# Altium PCB MEA_CLDP.PcbDoc (part 1 of 3) (continued)
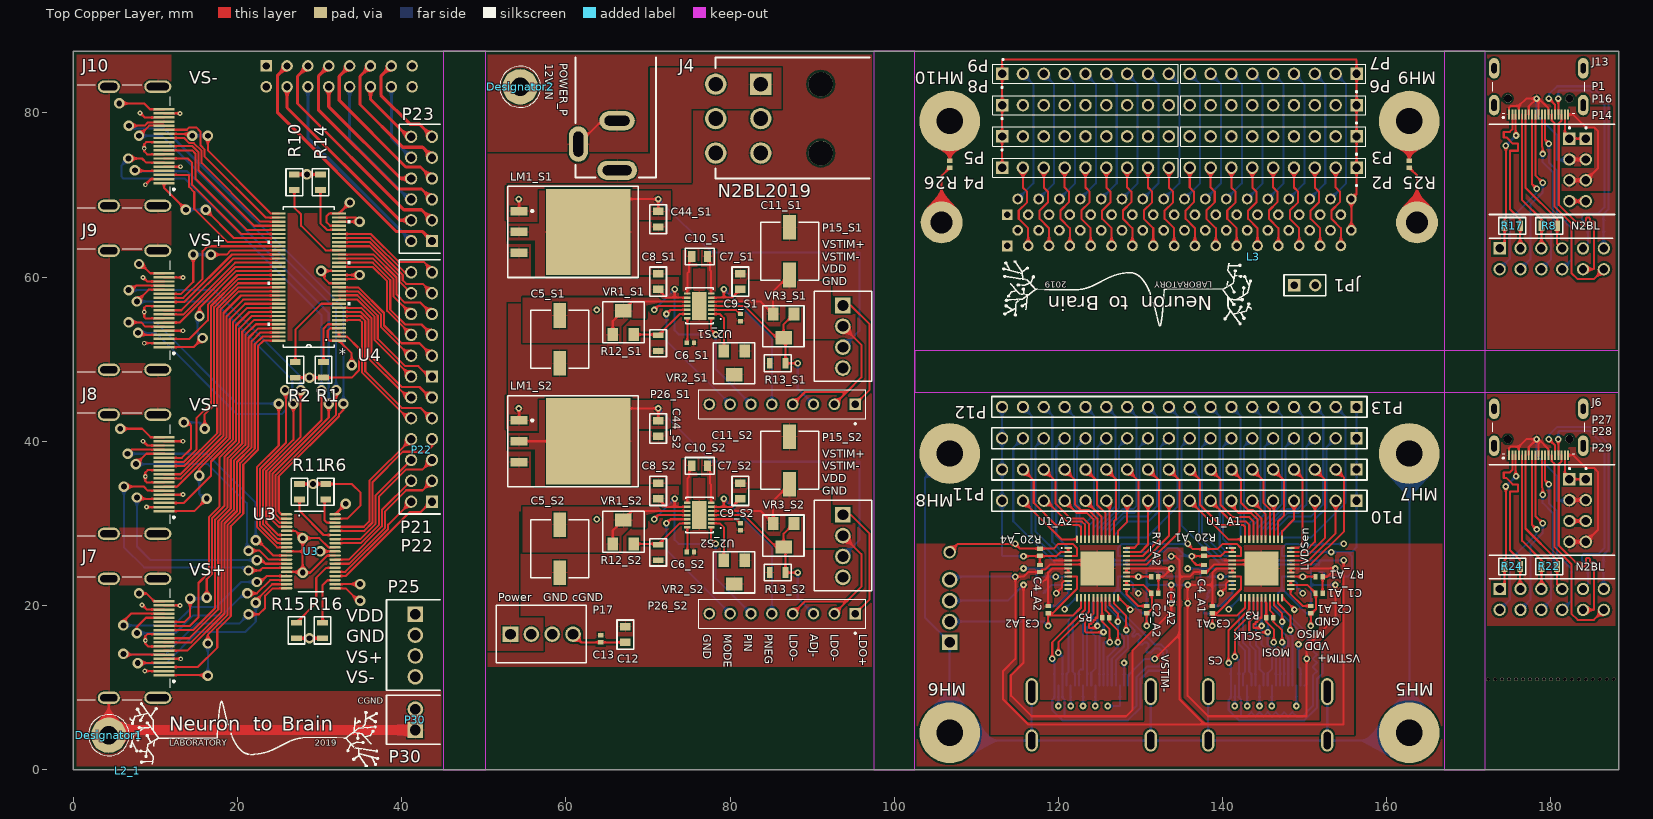
[diagram p0: Top Copper Layer view]
## Part data (continued)
MH5 MH6 MH7 MH8 MH9 MH10: library part MH_7.4MMC_3.2MMC, "Mounting Hole 7.4mm Diameter, 3.2mm Drill"
P1 P27: "Header, 4-Pin, Right Angle", Manufacturer="Sullins Connector Solutions", Manufacturer Part Number=PPTC041LGBN-RC, Supplier Part Number 1=S5440-ND, ComponentLink1Description=Datasheet, ComponentLink1URL=https://drawings-pdf.s3.amazonaws.com/10493.pdf, Detailed Description="4 Position Header Connector 0.100\" (2.54mm) Through Hole, Right Angle Tin", LatestRevisionDate=17-Jul-2002, LatestRevisionNote="Re-released for DXP Platform.", Manufacturer Link=https://www.sullinscorp.com/product/?pn=PPTC041LGBN-RC&toggle=in, Pricing1="Price Break  Unit Price  Extended Price  1  0.79000  $0.79  10  0.73700  $7.37  100  0.56490  $56.49  500  0.49124  $245.62  1,000  0.40528  $405.28  5,000  0.35615  $1,780.73  10,000  0.35478  $3,547.80 (CAD)", Publisher="Altium Limited", Stock1=12,644, Supplier1=Digikey, Supplier Link 1=https://www.digikey.ca/product-detail/en/sullins-connector-solutions/PPTC041LGBN-RC/S5440-ND/775898
P2 P3 P4 P5 P6 P7 P8 P9: "Header, 9-Pin", Manufacturer="TE Connectivity AMP Connectors", Manufacturer Part Number=3-644456-9, Supplier Part Number 1=A31119-ND, ComponentLink1Description=Datasheet, ComponentLink1URL=https://www.te.com/commerce/DocumentDelivery/DDEController?Action=srchrtrv&DocNm=644456&DocType=Customer+Drawing&DocLang=English, Manufacturer Link=https://www.te.com/global-en/product-3-644456-9.html, Price1="1=0.81000;  10=0.76300;  100=0.58520;  500=0.50888;  1,000=0.41984;  5,000=0.36894;  10,000=0.34350 (CAD)", Stock1=6,446, Supplier 1=Digikey, Supplier Link 1=https://www.digikey.ca/product-detail/en/te-connectivity-amp-connectors/3-644456-9/A31119-ND/698351
P10 P11 P12 P13: "CONN RCPT 18POS 0.1 GOLD PCB", Manufacturer="Sullins Connector Solutions", Manufacturer Part Number=PPPC181LFBN-RC, Supplier Part Number 1=S7051-ND, ComponentLink1Description="Datasheet Drawing", ComponentLink1URL=https://drawings-pdf.s3.amazonaws.com/10492.pdf, ComponentLink2Description="Datasheet General Headers", ComponentLink2URL=https://media.digikey.com/pdf/Data%20Sheets/Sullins%20PDFs/Female_Headers.100_DS.pdf, Manufacturer Link 1=https://www.sullinscorp.com/product/?pn=PPPC181LFBN-RC&toggle=in, Pricing1="1 	1.63000 	$1.63", Publisher="Altium Limited", Stock1=1,744, Supplier 1=Digikey, Supplier Link 1=https://www.digikey.ca/product-detail/en/sullins-connector-solutions/PPPC181LFBN-RC/S7051-ND/810190
P14 P29: "Header, 6-Pin, Dual row", Manufacturer="Sullins Connector Solutions", Manufacturer Part Number=PPPC062LJBN-RC, Supplier Part Number 1=S5559-ND, ComponentLink1Description=Datasheet, ComponentLink1URL=https://drawings-pdf.s3.amazonaws.com/10494.pdf, LatestRevisionDate=17-Jul-2002, LatestRevisionNote="Re-released for DXP Platform.", Manufacturer Link=https://www.sullinscorp.com/product/?pn=PPPC062LJBN-RC&toggle=in, Pricing1="1  1.80000  $1.80  10  1.57700  $15.77  100  1.36070  $136.07  500  1.11330  $556.65  1,000  0.98959  $989.59  5,000  0.89338  $4,466.92 (CAD)", Publisher="Altium Limited", Stock1=7,855, Supplier1=Digikey, Supplier Link 1=https://www.digikey.ca/product-detail/en/sullins-connector-solutions/PPPC062LJBN-RC/S5559-ND/776017
P15_S1 P15_S2 P17 P18 P25: "Header, 4-Pin", Manufacturer="On Shore Technology Inc.", Manufacturer Part Number=OSTVN04A150, Supplier Part Number 1=ED10563-ND, ComponentLink1Description=Datasheet, ComponentLink1URL=http://www.on-shore.com/wp-content/uploads/OSTVNXXA150.pdf, Detailed Description="4 Position Wire to Board Terminal Block Horizontal with Board 0.100\" (2.54mm) Through Hole", LatestRevisionDate=17-Jul-2002, LatestRevisionNote="Re-released for DXP Platform.", Manufacturer Link=https://www.on-shore.com/part/ostvnxxa150-terminal-block-one-piece-rising-clamp/, Pitch (imperial)=100mil, Pricing 1="1  1.38000  $1.38  10  0.96900  $9.69  25  0.90400  $22.60  50  0.82040  $41.02  100  0.81680  $81.68  250  0.68972  $172.43  500  0.65340  $326.70  1,000  0.58080  $580.80  5,000  0.47190  $2,359.50 (CAD)", Publisher="Altium Limited", Stock 1=8,195, Supplier 1=Digikey, Supplier Link 1=https://www.digikey.com/product-detail/en/on-shore-technology-inc/OSTVN04A150/ED10563-ND/1588864
P16 P28: "Header, 4-Pin, Right Angle", Manufacturer="Sullins Connector Solutions", Manufacturer Part Number=PEC04SBAN, Supplier Part Number 1=S1112E-04-ND, ComponentLink1Description=Datasheet, ComponentLink1URL=https://drawings-pdf.s3.amazonaws.com/10492.pdf, LatestRevisionDate=17-Jul-2002, LatestRevisionNote="Re-released for DXP Platform.", Manufacturer Link=https://www.sullinscorp.com/product/?pn=PPPC181LFBN-RC&toggle=in#, Pricing1="Price Break  Unit Price  Extended Price  1  0.54000  $0.54  10  0.50800  $5.08  25  0.43560  $10.89  50  0.37020  $18.51  100  0.35560  $35.56  250  0.31940  $79.85  500  0.30486  $152.43 (CAD)", Publisher="Altium Limited", Stock1=2,184, Supplier1=Digikey, Supplier Link 1=https://www.digikey.ca/product-detail/en/sullins-connector-solutions/PEC04SBAN/S1112E-04-ND/860093
P20: "Header, 8-Pin, Dual row", Manufacturer="TE Connectivity", Manufacturer Part Number=534998-8, Supplier Part Number 1=A26489-ND, ComponentLink1Description=Datasheet, ComponentLink1URL=https://www.te.com/commerce/DocumentDelivery/DDEController?Action=srchrtrv&DocNm=534998&DocType=Customer+Drawing&DocLang=English, LatestRevisionDate=17-Jul-2002, LatestRevisionNote="Re-released for DXP Platform.", Pricing1="1  5.59000  $5.59  28  4.92321  $137.85  112  4.47580  $501.29  504  3.80446  $1,917.45  1,008  3.24498  $3,270.94 (CAD)", Publisher="Altium Limited", Stock1=13,776, Supplier 1=Digikey, Supplier Link 1=https://www.digikey.ca/product-detail/en/te-connectivity-amp-connectors/534998-8/A26489-ND/298054
P21 P22 P23: "Header, 6-Pin, Dual row", Manufacturer=Molex, Manufacturer Part Number=0010897120, Supplier Part Number 1=WM13108-ND, ComponentLink1Description=Datasheet, ComponentLink1URL=https://www.molex.com/pdm_docs/sd/010897120_sd.pdf, LatestRevisionDate=17-Jul-2002, LatestRevisionNote="Re-released for DXP Platform.", Manufacturer Link=https://www.molex.com/molex/products/datasheet.jsp?part=active/0010897120_PCB_HEADERS.xml, Pricing1="1  1.65000  $1.65 (CAD)", Stock1=2,645, Supplier 1=Digikey, Supplier Link 1=https://www.digikey.com/product-detail/en/molex/0010897120/WM13108-ND/3068090
  P22 P23: Publisher="Altium Limited"
P26_S1 P26_S2: "Header, 8-Pin", Manufacturer="TE Connectivity AMP Connectors", Manufacturer Part Number=5-535541-6, Supplier Part Number 1=A32921-ND, ComponentLink1Description=Datasheet, ComponentLink1URL=https://www.te.com/commerce/DocumentDelivery/DDEController?Action=srchrtrv&DocNm=535541&DocType=Customer+Drawing&DocLang=English, Manufacturer Link=https://www.te.com/usa-en/product-5-535541-6.html, Price1="1  2.79000  $2.79  28  2.37000  $66.36  112  2.16411  $242.38  504  1.80345  $908.94  1,008  1.54581  $1,558.18  5,012  1.37062  $6,869.56  10,024  1.33971  (CAD)", Stock1=2,929, Supplier1=Digikey, Supplier Link 1=https://www.digikey.ca/product-detail/en/te-connectivity-amp-connectors/5-535541-6/A32921-ND/1092992
P30: "Header, 2-Pin", Manufacturer="On Shore Technology Inc.", Manufacturer Part Number=OSTVN02A150, Supplier Part Number 1=ED10561-ND, LatestRevisionDate=17-Jul-2002, LatestRevisionNote="Re-released for DXP Platform.", Manufacturer Link=https://www.on-shore.com/part/ostvnxxa150-terminal-block-one-piece-rising-clamp/, Pricing1="1  1.29000  $1.29 (CAD)", Publisher="Altium Limited", Stock1=21,116, Supplier 1=Digikey, Supplier Link 1=https://www.digikey.ca/product-detail/en/on-shore-technology-inc/OSTVN02A150/ED10561-ND/1588862
POWER_P: "PJ-002AH", Colour=Black, Current Rating=5A, Flammability Rating="UL94 V-0", Insulation Resistance=50MR, Manufacturer=CUI, Max Operating Temperature=85°C, Min Operating Temperature=-25°C, Package Quantity=500, Supplier Part Number 1=CP-002AH-ND, Voltage Rating=24V, ComponentLink1Description=http://www.cui.com/Product/Resource/FuturePDF/PJ-002AH.pdf, ComponentLink1URL=http://www.cui.com/Product/Resource/FuturePDF/PJ-002AH.pdf, ComponentLink2Description=http://www.cui.com/product/resource/digikeypdf/pj-002ah.pdf, ComponentLink2URL=http://www.cui.com/product/resource/digikeypdf/pj-002ah.pdf, ComponentLink3Description=http://www.mouser.com/ds/2/670/pj-002ah-516007.pdf, ComponentLink3URL=http://www.mouser.com/ds/2/670/pj-002ah-516007.pdf, Connector Type=Jack, Contact Gender=Male, Contact Material="Copper,Copper Alloy", Contact Plating=Nickel, Diameter=2.1mm, Gender=Male, Housing Colour=Black, Housing Material=Thermoplastic, Lead Free="Lead Free", Manufacturer Part Number=PJ-002AH, Mount="Through Hole", Number of Conductors=2, Orientation=Horizontal, Packaging=Bulk, Pricing 1="1=0.74, 10=0.696, 25=0.6264, 50=0.5568, 100=0.5336, 250=0.4872, 500=0.464, 1000=0.3828, 2500=0.348 (USD)", Shielding=Unshielded, Stock 1=95768, Supplier 1=Digi-Key, Supplier Link 1=https://www.digikey.ca/products/en?keywords=CP-002AH-ND, Termination="Through Hole"
R1 R2 R6 R10 R11 R14 R15 R16: library part RES0, "RC0805JR-070RL", Case/Package=0805, Case Code (Metric)=2012, Manufacturer=Yageo, Max Operating Temperature=155°C, Max Power Dissipation=125mW, Min Operating Temperature=-55°C, Package Quantity=1, Resistance=0R, Supplier Part Number 1=311-0.0ARCT-ND, Temperature Coefficient=100ppm/°C, Tolerance=1%, Voltage Rating=150V, Case Code (Imperial)=0805, Composition="Thick Film", Depth=1.25mm, Lead Free="Lead Free", Length=2mm, Manufacturer Part Number=RC0805JR-070RL, Military Standard=Not, Number of Terminations=2, Packaging="Tape and Reel", Power Rating=125mW, Pricing 1="1=0.15;  10=0.055;  25=0.0408;  50=0.0308;  100=0.0229;  250=0.01740;  500=0.0139;  1000=0.01024 (CAD)", REACH SVHC=Unknown, Stock 1=3924855, Supplier 1=Digi-Key, Supplier Link 1=https://www.digikey.ca/product-detail/en/yageo/RC0805JR-070RL/311-0.0ARCT-ND/731163, Termination=SMD/SMT
R3 R5 R9 R19: library part RES100, "RES SMD 100 OHM 1% 1/16W 0402", Case/Package=0402, Case Code (Metric)=1005, Manufacturer="Vishay Dale", Manufacturer 2="Panasonic Electronic Components", Manufacturer Part Number=CRCW0402100RFKED, Manufacturer Part Number 2=ERA-2AED101X, Max Operating Temperature=155°C, Max Power Dissipation=0.063W, Min Operating Temperature=-55°C, Package Quantity=1, Temperature Coefficient=100ppm/°C, Tolerance 1=1%, Voltage Rating=50V, Assembly Note="If Vishay Dale part not in stock as free passive part, use Panasonic resistor instead", Case Code (Imperial)=0402, ComponentLink1Description="Datasheet 1", ComponentLink1URL=http://www.vishay.com/docs/20035/dcrcwe3.pdf, ComponentLink2Description="Datasheet 2", ComponentLink2URL=https://industrial.panasonic.com/cdbs/www-data/pdf/RDM0000/AOA0000C307.pdf, Composition="Thick Film", Height=0.4mm, Lead Free="Lead Free", Length=1mm, Military Standard=Not, Number of Terminations=2, Packaging="Paper Tape", Power Rating=0.063W, Pricing 1=Free, Pricing 2="1  0.34000  $0.34  10  0.29100  $2.91  100  0.11370  $11.37  1,000  0.04762  $47.62  2,500  0.04364  $109.11  5,000  0.03968  $198.40", REACH SVHC=Unknown, Resistance=100R, Stock 1=0, Supplier 1=7PCB/Bittle, Supplier 2=Digi-Key, Supplier Description 1="RES SMD 100 OHM 1% 1/16W 0402", Supplier Description 2="100 Ohms ±0.5% 0.063W, 1/16W Chip Resistor 0402 (1005 Metric) Automotive AEC-Q200 Thin Film", Supplier Link 1=https://parts.7pcb.com/, Supplier Part Number 1=CRCW0402100RFKED, Supplier Part Number 2=P100DECT-ND, Termination=SMD/SMT, Tolorance 2=0.5%, Weight=4mg, Width=0.5mm
R4 R8 R17 R18 R21 R22 R23 R24: library part RES100, "ERJ-6ENF1000V", Case/Package=0805, Case Code (Metric)=2012, Manufacturer="Panasonic Electronic Components", Max Operating Temperature=155°C, Max Power Dissipation=125mW, Min Operating Temperature=-55°C, Package Quantity=1, Supplier Part Number 1=P100CCT-ND, Temperature Coefficient=100ppm/°C, Tolerance=1%, Voltage Rating=150V, Case Code (Imperial)=0805, ComponentLink1Description=Datasheet, ComponentLink1URL=https://industrial.panasonic.com/cdbs/www-data/pdf/RDA0000/AOA0000C304.pdf, ComponentLink2Description=Specifications, ComponentLink2URL=https://industrial.panasonic.com/ww/products/resistors/chip-resistors/general-purpose-chip-resistors/precision-thick-film-chip-resistors/ERJ6ENF1000V, Composition="Thick Film", Lead Free="Lead Free", Length=2mm, Manufacturer Part Number=ERJ-6ENF1000V, Military Standard=Not, Number of Terminations=2, Packaging="Paper Tape", Power Rating=125mW, Pricing 1="1=0.16;  10=0.15;  100=0.05760;  1000=0.02535;  2500=0.02190  (CAD)", REACH SVHC=Unknown, Resistance=100R, Stock 1=1859281, Supplier 1=Digi-Key, Supplier Link 1=https://www.digikey.ca/product-detail/en/panasonic-electronic-components/ERJ-6ENF1000V/P100CCT-ND/118668, Termination=SMD/SMT, Weight=4mg, Width=1.25mm
R7_A1 R7_A2 R7_A3 R7_A4 R20_A1 R20_A2 R20_A3 R20_A4 R25 R26: library part RES100, "RES SMD 0 OHM JUMPER 1/16W 0402", Case/Package=0402, Case Code (Metric)=1005, Manufacturer="Vishay Dale", Manufacturer Part Number=CRCW04020000Z0ED, Max Operating Temperature=155°C, Max Power Dissipation=0.063W, Min Operating Temperature=-55°C, Package Quantity=1, Resistance=100R, Temperature Coefficient=100ppm/°C, Tolerance 1=1%, Voltage Rating=50V, Case Code (Imperial)=0402, ComponentLink1Description="Datasheet 1", ComponentLink1URL=http://www.vishay.com/docs/20035/dcrcwe3.pdf, Composition="Thick Film", Height=0.4mm, Lead Free="Lead Free", Length=1mm, Military Standard=Not, Number of Terminations=2, Packaging="Paper Tape", Power Rating=0.063W, Pricing 1=Free, REACH SVHC=Unknown, Stock 1=1271266, Supplier 1=7PCB/Bittle, Supplier Description 1="RES SMD 0.0OHM JUMPER 1/16W 0402", Supplier Link 1=https://parts.7pcb.com/, Supplier Part Number 1=CRCW04020000Z0ED, Termination=SMD/SMT, Tolorance 2=0.5%, Width=0.5mm
R12_S1 R12_S2 R13_S1 R13_S2: library part RES100, "CRCW0805100KFKEA", Case/Package=0805, Case Code (Metric)=2012, Manufacturer="Vishay Dale", Max Operating Temperature=155°C, Max Power Dissipation=125mW, Min Operating Temperature=-55°C, Package Quantity=1, Temperature Coefficient=100ppm/°C, Tolerance=1%, Voltage Rating=200V, Case Code (Imperial)=0805, ComponentLink1Description=Datasheet, ComponentLink1URL=http://www.vishay.com/docs/20035/dcrcwe3.pdf, Composition="Thick Film", Lead Free="Lead Free", Length=2mm, Manufacturer Part Number=CRCW0805100KFKEA, Military Standard=Not, Number of Terminations=2, Packaging="Cut Tape (CT)", Power Rating=125mW, Pricing 1="Free with 7PCB", Pricing 2="1=0.15; (CAD)", REACH SVHC=Unknown, Resistance=100KR, Stock 1=286355, Stock2=286,105, Supplier 1=7PCB/Bittele, Supplier2=Digikey, Supplier Link 1=https://parts.7pcb.com/, SupplierLink2=https://www.digikey.ca/product-detail/en/vishay-dale/CRCW0805100KFKEA/541-100KCCT-ND/1181013, Supplier Part Number 1=CRCW0805100KFKEA, Supplier Part Number 2=541-100KCCT-ND, Termination=SMD/SMT, Weight=4mg, Width=1.25mm
U1_A1 U1_A2 U1_A3 U1_A4: library part RHS2116_QFN, Manufacturer="Intan Technologies", Manufacturer Part Number=RHS2116, ComponentLink1Discription=Datasheet, ComponentLink1URL=http://intantech.com/files/Intan_RHS2116_datasheet.pdf, ComponentLink2Discription="Bare Die", ComponentLink2URL=http://intantech.com/files/RHS2116_die_diagram.pdf, Pricing 1="1-24=325;  25-99=278;  100-249=233;  250-499=188;  500-999=151  (USD)", Supplier 1=Intan, Supplier Link 1=http://intantech.com/products_RHS2000.html, Supplier Part Number 1=RHS2116
U2_S1 U2_S2: library part LTC3260IDE, "IC REG CHARGE PUMP INV 14DFN", Current - Output=100mA, Frequency - Switching="50kHz ~ 500kHz", Manufacturer="Linear Technology/Analog Devices", Manufacturer_Part_Number=ltc3260ide, Manufacturer Part Number=LTC3260EDE#TRPBF, Operating Temperature="-40°C ~ 125°C (TJ)", Package / Case="14-WFDFN Exposed Pad", Supplier Device Package="14-DFN (4x3)", Supplier Part Number 1=LTC3260EDE#TRPBFCT-ND, Voltage - Input (Max)=32V, Voltage - Input (Min)=4.5V, ComponentLink1Description=Datasheet, ComponentLink1URL=http://www.linear.com/docs/41410, Copyright="Copyright (C) 2018 Accelerated Designs. All rights reserved", Detailed Description="Charge Pump Switching Regulator IC Positive and Negative (Dual Rail) Fixed -Vin 2 Output 100mA 14-WFDFN Exposed Pad", Mounting Type="Surface Mount", Output Configuration="Positive and Negative (Dual Rail)", Packaging="Cut Tape (CT)", Pricing1="Price Break  Unit Price  Extended Price  1  13.01000  $13.01  25  9.55440  $238.86  100  7.14360  $714.36  250  6.78644  $1,696.61  500  6.63338  $3,316.69 (CAD)", RefDes=RefDes, Stock1=4,881, Supplier 1=Digikey, Supplier Link 1=https://www.digikey.ca/product-detail/en/linear-technology-analog-devices/LTC3260EDE-TRPBF/LTC3260EDE-TRPBFCT-ND/8433300, Synchronous Rectifier=No, Type=DEV, Vendor="Linear Technology"
U3: library part SN65LVDT388ADBTR, "IC OCTAL LVDS RECEIVER 38-TSSOP", Manufacturer="Texas Instruments", Supplier Part Number 1=296-6899-5-ND, Copyright="Copyright (C) 2018 Accelerated Designs. All rights reserved", Manufacturer Link=http://www.ti.com/product/SN65LVDT388A?keyMatch=SN65LVDT388A&tisearch=Search-EN-Products, Manufacturer Part Number=SN65LVDT388ADBT, PartNumber=SN65LVDT388ADBTR, Pricing1="Price Break  Unit Price  Extended Price  1  6.13000  $6.13  10  5.51000  $55.10  50  5.20880  $260.44  100  4.51430  $451.43  500  3.84290  $1,921.45  1,000  3.24100  $3,241.00  2,500  3.07895  $7,697.38 (CAD)", RefDes=RefDes, Stock1=5,642, Supplier 1=Digikey, Supplier Link 1=https://www.digikey.com/products/en?mpart=SN65LVDT388ADBT&v=296, Type=DEV
U4: library part SN75LVDS387_DGG_64, "16-Channel LVDS Transmitter", Manufacturer="Texas Instruments", Manufacturer_Part_Number=sn75lvds387_dgg_64, Manufacturer Part Number=SN75LVDS387DGG, PACKAGE_DESIGNATOR=DGG, Supplier Part Number 1=296-2367-5-ND, Copyright="Copyright (C) 2018 Accelerated Designs. All rights reserved", Datasheet_URL=http://www.ti.com/lit/gpn/SN75LVDS387, FAMILY_NAME="LVDS PHY (<800MBPS)", GENERIC_PART_NUMBER=SN75LVDS387, INDUSTRY_STD_PKG_TYPE=TSSOP, Manufacturer Link=http://www.ti.com/product/SN75LVDS387, PIN_COUNT=64, Pricing1="Price Break  Unit Price  Extended Price  1  11.73000  $11.73  10  10.59500  $105.95  25  10.10240  $252.56  100  8.77180  $877.18  500  7.63840  $3,819.20  1,000  6.65280  $6,652.80 (CAD)", RefDes=RefDes, Stock1=3,375, Supplier 1=Digikey, Supplier Link 1=https://www.digikey.com/products/en?mpart=SN75LVDS387DGG&v=296, Type=DEV, Vendor="Texas Instruments"
VR1_S1 VR1_S2 VR2_S1 VR2_S2 VR3_S1 VR3_S2: library part RES_VAR_5TURN, "TRIMMER 1M OHM 0.25W J LEAD TOP", Manufacturer="Nidec Copal", Manufacturer Part Number=SM-42TW105, Max Operating Temperature=150°C, Max Power Dissipation=250mW, Min Operating Temperature=-65°C, Package Quantity=1, Resistance=1MOhms, Supplier Part Number 1=SM-42TW105CT-ND, Temperature Coefficient=100ppm/°C, Tolerance=10%, ComponentLink1Description=https://www.nidec-copal-electronics.com/e/catalog/trimmer/sm-42&sm-43.pdf, Composition=Cermet, Height=0.201inch, Length=0.189inch, Mount="Surface Mount", Number of Turns=11, Packaging="Cut Tape", Pricing 1="1=5.26;  10=4.604;  25=4.1112 ... (CAD)", Radiation Hardening=No, Stock 1=347, Supplier 1=Digi-Key, Supplier Link 1=https://www.digikey.ca/product-detail/en/nidec-copal-electronics/SM-42TW105/SM-42TW105CT-ND/1632404, Width=0.138inch

## Free pads (board coordinates)
  round 1.524 hole 1.02: 2(106.75,26.5)
  round 0.4 hole 0.4 unplated: 15(185.1,11) 16(184.25,11) 17(183.4,11) 18(182.55,11) 19(181.7,11) 20(180.85,11) 21(180,11) 22(179.15,11) 23(178.3,11) 24(177.45,11) 25(176.6,11) 26(175.75,11) 27(174.9,11) 28(174.05,11) 29(173.2,11) 30(172.35,11) 31(185.95,11) 32(186.8,11) 33(187.65,11)

## Via types
v1: diameter 0.8, hole 0.4, Top Copper Layer to Bottom Copper Layer, 101 vias
v2: diameter 1.27, hole 0.711, Top Copper Layer to Bottom Copper Layer, 67 vias
v3: diameter 0.6, hole 0.25, Top Copper Layer to Bottom Copper Layer, 20 vias

## Nets (pads, with @x,y where several pads share a name; then routed paths per layer and width w, separated by ;. In a path a pad name is that pad's centre, name@x,y a point inside that pad or via, vN(x,y) a via of type N, cw(c..) or ccw(c..) an arc to the next point about the centre after c; other vN are vias at no path point)
abGND: J6.1 J6.4 J6.7 J6.10 J6.13 P27.2 P28.2 | length 26.9
  Top Copper Layer w0.25: J6.1@174.9,38.3 174.9,39.15 175.1,39.35 176.1,39.35 ; J6.4@176.1,38.3 176.1,39.35 ; J6.7@177.3,38.3 177.3,39.3 v1(178.25,40.25) ; J6.10@178.5,38.3 178.5,40 v1(178.25,40.25) ; J6.13@179.7,38.3 179.7,39.05 178.5,40.25 v1(178.25,40.25) ; P27.2@182.25,32.83 P28.2@184.25,32.83 ; 176.1,39.35 177,40.25 v1(178.25,40.25)
  Bottom Copper Layer w0.25: v1(178.25,40.25) 178.25,38.25 180.75,35.75 180.75,32.75 182.17,32.75 P27.2@182.25,32.83 P28.2@184.25,32.83
abVDD: J6.18 P27.1 P28.1 | length 5.2
  Top Copper Layer w0.25: J6.18@181.7,38.3 181.7,35.92 P27.1@182.25,35.37 P28.1@184.25,35.37
abVSTIM+: J6.19 P27.4 P28.4 | length 15.6
  Top Copper Layer w0.25: J6.19@182.1,38.3 182.7,38.3 184.25,36.75 185.25,36.75 185.75,36.25 185.75,29.25 P28.4@184.25,27.75 P27.4@182.25,27.75
abVSTIM-: P27.3 P28.3 | length 2
  Top Copper Layer w0.25: P27.3@182.25,30.29 P28.3@184.25,30.29
acGND: MH9.1 MH10.1 R25.1 R26.1 | length 9.6
  Top Copper Layer w0.25: R26.1@106.75,74.183 MH10.1@106.75,79.003 ; R25.1@162.75,74.183 MH9.1@162.75,79.003
ADJ+_S1: R12_S1.2 U2_S1.13 VR1_S1.3 | length 7.7
  Top Copper Layer w0.25: VR1_S1.3@68.25,53.003 71.15,53.003 R12_S1.2@71.25,52.903 73.85,55.503 U2_S1.13@74.798,55.503
ADJ+_S2: R12_S2.2 U2_S2.13 VR1_S2.3 | length 7.7
  Top Copper Layer w0.25: VR1_S2.3@68.25,27.503 71.15,27.503 R12_S2.2@71.25,27.403 73.85,30.003 U2_S2.13@74.798,30.003
ADJ-_S1: P26_S1.3 R13_S1.1 U2_S1.4 VR3_S1.1 VR3_S1.2 | length 24.3
  Top Copper Layer w0.25: U2_S1.4@77.702,56.503 81.75,56.503 85.65,52.603 VR3_S1.2@86.52,52.603 ; VR3_S1.1@87.79,55.503 86.52,54.233 VR3_S1.2@86.52,52.603 ; v1(88.25,49.503) R13_S1.1@86.75,49.503 86.75,52.373 VR3_S1.2@86.52,52.603
  Bottom Copper Layer w0.25: v1(88.25,49.503) 88.25,46.423 P26_S1.3@90.17,44.503
ADJ-_S2: P26_S2.3 R13_S2.1 U2_S2.4 VR3_S2.1 VR3_S2.2 | length 24.3
  Top Copper Layer w0.25: U2_S2.4@77.702,31.003 81.75,31.003 85.65,27.103 VR3_S2.2@86.52,27.103 ; VR3_S2.1@87.79,30.003 86.52,28.733 VR3_S2.2@86.52,27.103 ; v1(88.25,24.003) R13_S2.1@86.75,24.003 86.75,26.873 VR3_S2.2@86.52,27.103
  Bottom Copper Layer w0.25: v1(88.25,24.003) 88.25,20.923 P26_S2.3@90.17,19.003
B_CS1_N: P20.14 P23.10 | length 9.6
  Bottom Copper Layer w0.381: P20.14@38.735,83.185 38.735,76.962 P23.10@41.148,74.549
B_CS1_P: P20.12 P23.12 | length 8.4
  Top Copper Layer w0.381: P20.12@36.195,83.185 36.195,81.661 40.767,77.089 P23.12@41.148,77.089
B_MISO1_N: P20.11 P23.9 | length 16.7
  Top Copper Layer w0.381: P20.11@36.195,85.725 34.925,84.455 34.925,81.026 40.132,75.819 42.545,75.819 43.688,74.676 P23.9@43.688,74.549
B_MISO1_P: P20.13 P23.11 | length 12.4
  Top Copper Layer w0.381: P20.13@38.735,85.725 37.465,84.455 37.465,82.169 41.021,78.613 42.164,78.613 P23.11@43.688,77.089
B_MISO2_N: P20.6 P23.2 | length 24
  Bottom Copper Layer w0.381: P20.6@28.575,83.185 28.575,76.962 P23.2@41.148,64.389
B_MISO2_P: P20.4 P23.4 | length 23.3
  Top Copper Layer w0.381: P20.4@26.035,83.185 26.035,80.645 39.751,66.929 P23.4@41.148,66.929
B_MOSI1_N: P20.7 P23.5 | length 24.2
  Top Copper Layer w0.381: P20.7@31.115,85.725 29.845,84.455 29.845,80.391 39.497,70.739 42.418,70.739 P23.5@43.688,69.469
B_MOSI1_P: P20.9 P23.7 | length 20
  Top Copper Layer w0.381: P20.9@33.655,85.725 32.385,84.455 32.385,81.534 40.513,73.406 42.291,73.406 P23.7@43.688,72.009
B_MOSI2_N: P20.10 P23.6 | length 17.6
  Top Copper Layer w0.381: P23.6@40.513,69.469 P23.6@41.148,69.469
  Bottom Copper Layer w0.381: P20.10@33.655,83.185 33.655,76.708 40.894,69.469 P23.6@41.148,69.469
B_MOSI2_P: P20.8 P23.8 | length 16.1
  Top Copper Layer w0.381: P20.8@31.115,83.185 31.115,80.772 39.878,72.009 P23.8@41.148,72.009
B_SCLK1_N: P20.3 P23.1 | length 31.5
  Top Copper Layer w0.381: P20.3@26.035,85.725 24.892,84.582 24.892,80.01 39.37,65.532 42.545,65.532 P23.1@43.688,64.389
B_SCLK1_P: P20.5 P23.3 | length 27.4
  Top Copper Layer w0.381: P20.5@28.575,85.725 27.305,84.455 27.305,81.153 40.259,68.199 42.418,68.199 P23.3@43.688,66.929
bGND: J13.1 J13.4 J13.7 J13.10 J13.13 P1.2 P16.2 | length 26.9
  Top Copper Layer w0.25: J13.1@174.9,79.8 174.9,80.65 175.1,80.85 176.1,80.85 ; J13.4@176.1,79.8 176.1,80.85 ; J13.7@177.3,79.8 177.3,80.8 v1(178.25,81.75) ; J13.10@178.5,79.8 178.5,81.5 v1(178.25,81.75) ; J13.13@179.7,79.8 179.7,80.55 178.5,81.75 v1(178.25,81.75) ; P1.2@182.25,74.33 P16.2@184.25,74.33 ; 176.1,80.85 177,81.75 v1(178.25,81.75)
  Bottom Copper Layer w0.25: v1(178.25,81.75) 178.25,79.75 180.75,77.25 180.75,74.25 182.17,74.25 P1.2@182.25,74.33 P16.2@184.25,74.33
bVDD: J13.18 P1.1 P16.1 | length 5.2
  Top Copper Layer w0.25: J13.18@181.7,79.8 181.7,77.42 P1.1@182.25,76.87 P16.1@184.25,76.87
bVSTIM+: P1.4 P16.4 | length 2
  Top Copper Layer w0.25: P1.4@182.25,69.25 P16.4@184.25,69.25
bVSTIM-: J13.19 P1.3 P16.3 | length 13.1
  Top Copper Layer w0.25: J13.19@182.1,79.8 182.7,79.8 184.25,78.25 185.25,78.25 185.75,77.75 185.75,73.29 P16.3@184.25,71.79 P1.3@182.25,71.79
BYP+_S1: C6_S1.2 U2_S1.14 | length 3
  Top Copper Layer w0.25: C6_S1.2@74.798,52.003 U2_S1.14@74.798,55.003
BYP+_S2: C6_S2.2 U2_S2.14 | length 3
  Top Copper Layer w0.25: C6_S2.2@74.798,26.503 U2_S2.14@74.798,29.503
BYP-_S1: C9_S1.2 U2_S1.3 | length 3.8
  Top Copper Layer w0.25: U2_S1.3@77.702,56.003 80.75,56.003 C9_S1.2@81.25,55.503
BYP-_S2: C9_S2.2 U2_S2.3 | length 3.8
  Top Copper Layer w0.25: U2_S2.3@77.702,30.503 80.75,30.503 C9_S2.2@81.25,30.003
cGND: J2.SH1 J2.SH2 J2.SH3 J2.SH4 J3.SH1 J3.SH2 J3.SH3 J3.SH4 MH5.1 MH6.1 MH7.1 MH8.1 P18.1 | length 151.1
  Bottom Copper Layer w0.25: MH8.1@106.75,38.5 103.75,35.5 103.75,18.5 P18.1@106.75,15.5 MH6.1@106.75,4.5 107.71,3.54 J3.SH4@116.75,3.54 ; J3.SH2@116.75,9.5 J3.SH4@116.75,3.54 ; J3.SH1@131.25,9.5 J3.SH3@131.25,3.54 ; J2.SH2@138.25,9.5 J2.SH4@138.25,3.54 ; J2.SH1@152.75,9.5 J2.SH3@152.75,3.54 ; MH7.1@162.75,38.5 MH5.1@162.75,4.5 161.79,3.54 J2.SH3@152.75,3.54 ; J3.SH4@116.75,3.54 J3.SH3@131.25,3.54 ; J3.SH3@131.25,3.54 J2.SH4@138.25,3.54 ; J2.SH4@138.25,3.54 J2.SH3@152.75,3.54
CS1_SE: P22.10 U4.6 | length 17.3
  Top Copper Layer w0.254: U4.6@32.36,54.754 34.908,54.754 35.179,54.483 35.179,48.356 40.736,42.799 P22.10@41.148,42.799
CS2_SE: P21.2 U4.11 | length 14.5
  Top Copper Layer w0.254: U4.11@32.466,57.36 U4.11@32.36,57.254 34.565,57.254 ; 34.582,57.27 36.703,55.149 36.703,52.324 P21.2@41.148,47.879
CS3_SE: P21.6 U4.19 | length 14.3
  Top Copper Layer w0.254: U4.19@32.36,61.254 36.444,61.254 38.227,59.471 38.227,55.88 P21.6@41.148,52.959
CS4_SE: P21.10 U4.24 | length 11.5
  Top Copper Layer w0.254: U4.24@32.36,63.754 36.099,63.754 39.751,60.102 39.751,59.436 P21.10@41.148,58.039
ELECIN0: P10.9 U1_A1.44 | length 8.2
  Top Copper Layer w0.25: P10.9@136,32.75 140.7,28.05 U1_A1.44@142.25,28.05
ELECIN1: P11.9 U1_A1.43 | length 13.2
  Top Copper Layer w0.25: P11.9@136,36.56 137.25,35.31 137.25,32.25 139.7,29.8 142.5,29.8 142.75,29.55 U1_A1.43@142.75,27.75
ELECIN2: P10.8 U1_A1.42 | length 7.7
  Top Copper Layer w0.25: P10.8@138.54,32.75 141.09,30.2 142.866,30.2 143.25,29.816 U1_A1.42@143.25,28
ELECIN3: P11.8 U1_A1.41 | length 11.8
  Top Copper Layer w0.25: P11.8@138.54,36.56 139.75,35.35 139.75,32.25 141.25,30.75 143.25,30.75 143.75,30.25 U1_A1.41@143.75,28.05
ELECIN4: P10.7 U1_A1.40 | length 6.9
  Top Copper Layer w0.25: P10.7@141.08,32.75 141.08,32.17 142,31.25 143.5,31.25 144.25,30.5 U1_A1.40@144.25,28.05